# Allegro board 1155000-zp-dic_pda_8ch_board_v002.brd (continued)
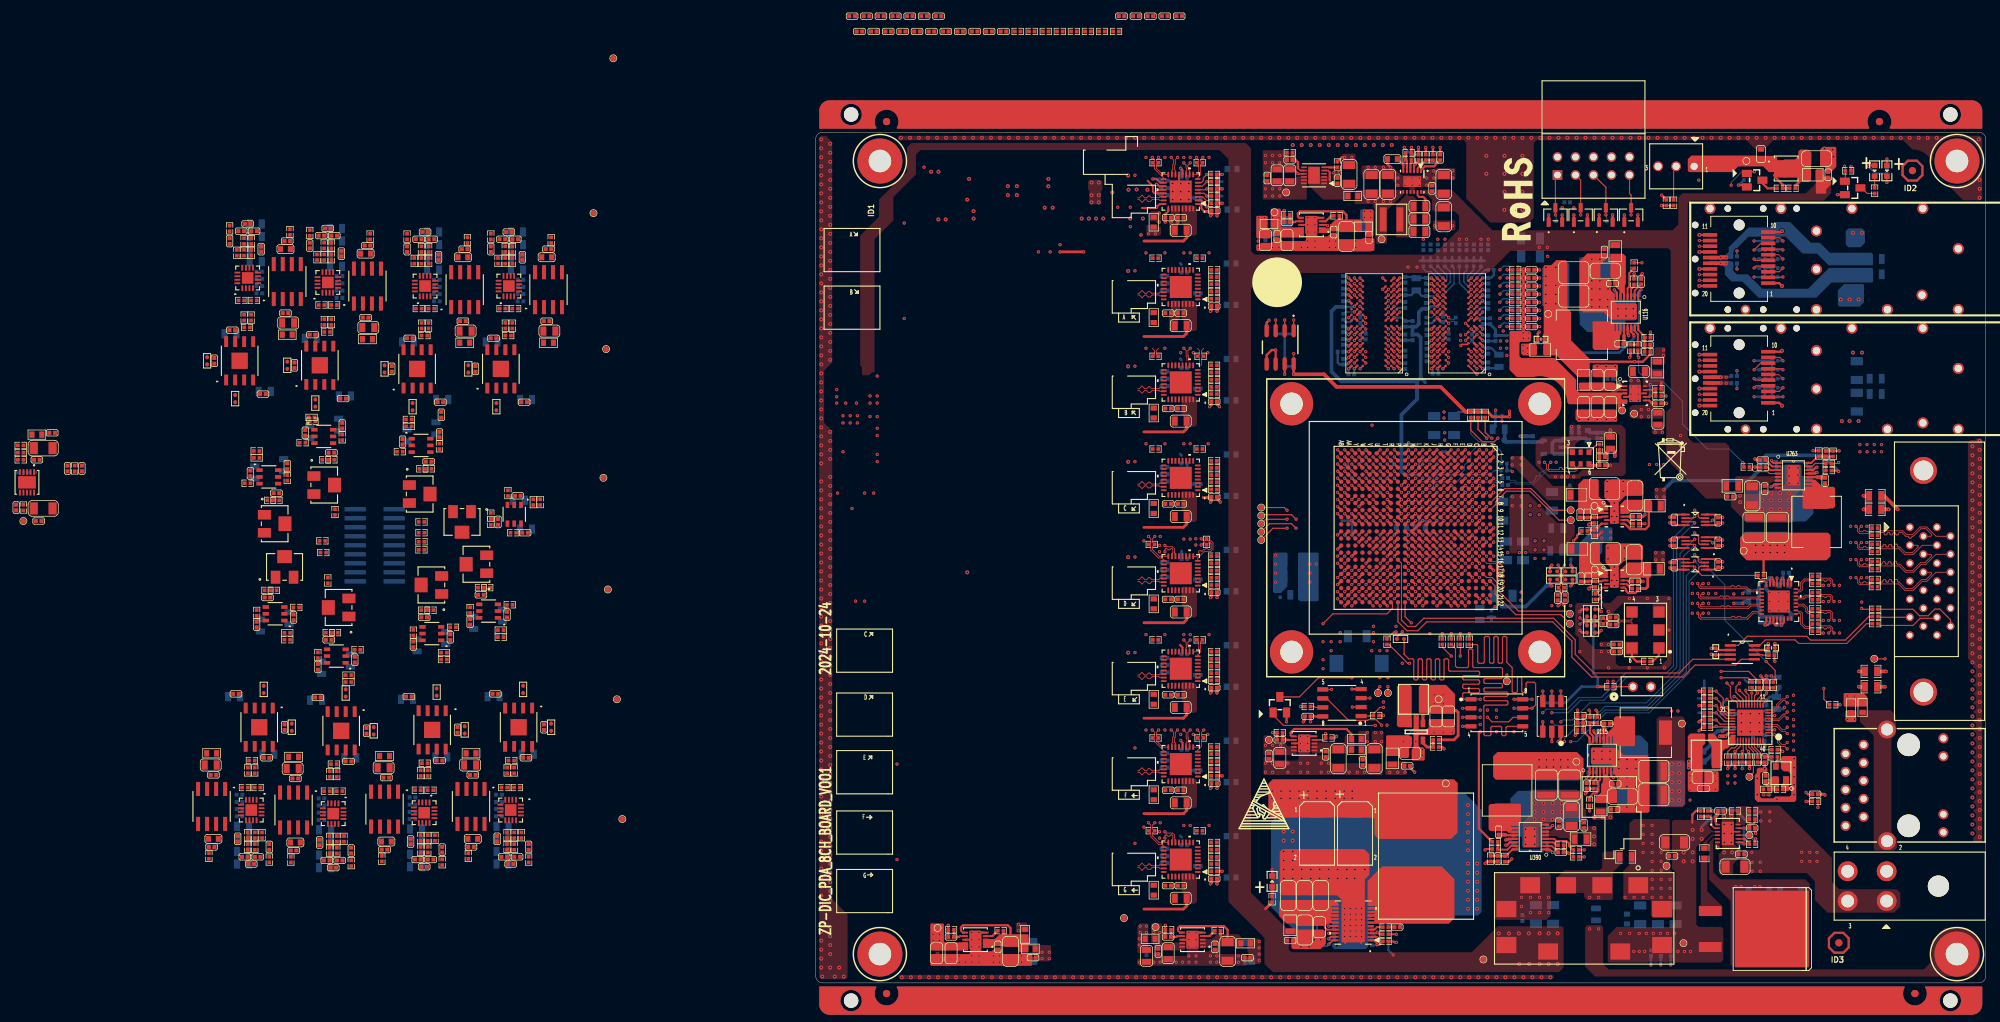
[diagram p0: board, top side]
## Copper pours and planes (outline as drawn; the poured copper is in the pictures) (continued)
(no net) on TOP: 127.32,29.69 127.17,29.85 125.4,29.85 125.27,29.72 125.27,27.05 125.4,26.92 127.17,26.92 127.32,27.07
(no net) on TOP: 78.83,20.83 79.34,20.32 89.63,20.32 90.52,21.21 90.52,28.19 90.01,28.7 64.44,28.7 63.85,28.11 63.85,23.75 64.23,23.37 78.53,23.37 78.83,23.07
(no net) on TOP: 70.91,106.93 70.91,105.92 71.04,105.79 72.31,105.79 72.56,106.05 73.83,106.05 73.96,105.92 76.88,105.92 77.01,106.05 77.01,107.57 76.88,107.7 73.33,107.7 72.69,107.06 71.04,107.06
(no net) on BOTTOM: 148.96,98.81 143.25,98.81 141.09,96.65 132.96,96.65 130.66,98.95 129.14,98.95 128.21,99.87 128.21,100.89 127.88,101.22 127.5,101.22 127.39,101.33 127.39,101.76 127.5,101.86 128.9,101.86 129.39,101.36 129.39,100.44 129.89,99.95 131.44,99.95 133.47,97.92 139.94,97.92 142.87,100.84 148.96,100.84 149.09,100.72 149.09,98.94
(no net) on BOTTOM: 78.28,103.12 75.87,103.12 75.74,103.25 75.74,104.78 75.87,104.9 78.28,104.9 78.41,104.78 78.41,103.25
(no net) on BOTTOM: 78.53,106.05 76.88,106.05 76.75,106.17 76.75,108.97 76.88,109.09 78.53,109.09 78.66,108.97 78.66,106.17
(no net) on BOTTOM: 62.28,105.28 62.15,105.41 62.15,108.08 62.28,108.2 63.67,108.2 63.8,108.08 63.8,105.41 63.67,105.28
(no net) on BOTTOM: 145.64,106.43 147.56,106.43 147.95,106.05 147.95,104.42 147.29,103.76 145.64,103.76 145.25,104.14 145.25,106.05
(no net) on BOTTOM: 147.69,98.56 145.02,98.56 144.14,97.67 144.14,95.64 144.39,95.38 147.18,95.38 147.82,96.02 147.82,98.43
(no net) on BOTTOM: 67.1,105.28 64.31,105.28 64.18,105.41 64.18,108.08 64.31,108.2 67.1,108.2 67.23,108.08 67.23,105.41
(no net) on BOTTOM: 148.96,101.22 142.87,101.22 141.21,102.88 139.18,102.88 136.77,105.29 131.54,105.29 129.39,103.13 129.39,102.23 129.26,102.09 127.47,102.09 127.37,102.19 127.37,102.49 127.5,102.62 128.26,102.62 128.74,103.11 128.74,103.76 131.54,106.56 134.48,106.56 135.25,107.32 137.4,107.32 140.33,104.4 141.6,104.4 142.99,103 148.83,103 149.09,102.75 149.09,101.35
(no net) on BOTTOM: 64.23,10.69 67.53,7.39 67.53,5.21 67.96,4.78 69.76,4.78 70.05,5.07 70.05,5.63 70.23,5.82 71.38,5.82 71.5,5.94 71.5,6.25 71.39,6.37 70.31,6.37 70.06,6.62 70.06,9.01 70.67,9.62 72.71,9.62 72.84,9.49 72.84,7.54 72.92,7.46 73.52,7.46 73.77,7.21 73.77,5.77 73.59,5.58 72.85,5.58 72.85,5.09 73.17,4.77 77.53,4.77 77.91,5.15 77.91,8.78 78.66,9.53 93.39,9.53 93.9,10.03 93.9,24.38 91.61,26.67 87.55,26.67 85.26,24.38 65.96,24.38 64.23,22.65 ; 2 cut-outs
ADC1_VIO on BOTTOM: 51.1,74.8 51.35,75.06 58.21,75.06 58.34,74.93 58.34,70.23 58.21,70.1 57.2,70.1 57.07,70.23 57.07,74.04 56.94,74.17 52.75,74.17 52.62,74.04 51.35,74.04 51.1,74.3
ADC1_VREF on TOP: 51.61,69.22 51.61,66.8 51.86,66.55 51.86,65.15 51.99,65.02 53.51,65.02 53.77,65.28 53.77,68.96 53.56,69.17 53.27,69.17 53.1,69.34 51.74,69.34
ADC2_VIO on BOTTOM: 51.1,61.34 51.35,61.6 58.21,61.6 58.34,61.47 58.34,56.77 58.21,56.64 57.2,56.64 57.07,56.77 57.07,60.58 56.94,60.71 52.75,60.71 52.62,60.58 51.35,60.58 51.1,60.83
ADC2_VREF on TOP: 51.99,51.56 51.86,51.69 51.86,53.09 51.61,53.34 51.61,55.75 51.74,55.88 53.1,55.88 53.27,55.7 53.56,55.7 53.77,55.5 53.77,51.82 53.51,51.56
ADC3_VIO on BOTTOM: 51.1,88.27 51.35,88.52 58.21,88.52 58.34,88.39 58.34,83.69 58.21,83.57 57.2,83.57 57.07,83.69 57.07,87.5 56.94,87.63 52.75,87.63 52.62,87.5 51.35,87.5 51.1,87.76
ADC3_VREF on TOP: 51.61,82.68 51.61,80.26 51.86,80.01 51.86,78.61 51.99,78.49 53.51,78.49 53.77,78.74 53.77,82.42 53.56,82.63 53.27,82.63 53.1,82.8 51.74,82.8
ADC4_VIO on BOTTOM: 51.1,47.88 51.35,48.13 58.21,48.13 58.34,48.01 58.34,43.31 58.21,43.18 57.2,43.18 57.07,43.31 57.07,47.12 56.94,47.24 52.75,47.24 52.62,47.12 51.35,47.12 51.1,47.37
ADC4_VREF on TOP: 51.99,38.1 51.86,38.23 51.86,39.62 51.61,39.88 51.61,42.29 51.74,42.42 53.1,42.42 53.27,42.24 53.56,42.24 53.77,42.04 53.77,38.35 53.51,38.1
ADC5_VIO on BOTTOM: 51.1,101.73 51.35,101.98 58.21,101.98 58.34,101.85 58.34,97.16 58.21,97.03 57.2,97.03 57.07,97.16 57.07,100.97 56.94,101.09 52.75,101.09 52.62,100.97 51.35,100.97 51.1,101.22
ADC5_VREF on TOP: 51.61,96.14 51.61,93.73 51.86,93.47 51.86,92.08 51.99,91.95 53.51,91.95 53.77,92.2 53.77,95.89 53.56,96.09 53.27,96.09 53.1,96.27 51.74,96.27
ADC6_VIO on BOTTOM: 51.1,34.42 51.35,34.67 58.21,34.67 58.34,34.54 58.34,29.85 58.21,29.72 57.2,29.72 57.07,29.85 57.07,33.66 56.94,33.78 52.75,33.78 52.62,33.66 51.35,33.66 51.1,33.91
ADC6_VREF on TOP: 51.99,24.64 51.86,24.77 51.86,26.16 51.61,26.42 51.61,28.83 51.74,28.96 53.1,28.96 53.27,28.78 53.56,28.78 53.77,28.58 53.77,24.89 53.51,24.64
ADC7_VIO on BOTTOM: 51.16,115.13 51.42,115.38 58.28,115.38 58.4,115.25 58.4,110.55 58.28,110.43 57.26,110.43 57.13,110.55 57.13,114.36 56.94,114.55 52.88,114.55 52.69,114.36 51.42,114.36 51.16,114.62
ADC7_VREF on TOP: 51.61,109.6 51.61,107.19 51.86,106.93 51.86,105.54 51.99,105.41 53.51,105.41 53.77,105.66 53.77,109.35 53.56,109.55 53.27,109.55 53.1,109.73 51.74,109.73
ADC8_VIO on BOTTOM: 51.1,20.96 51.35,21.21 58.21,21.21 58.34,21.08 58.34,16.38 58.21,16.26 57.2,16.26 57.07,16.38 57.07,20.19 56.94,20.32 52.75,20.32 52.62,20.19 51.35,20.19 51.1,20.45
ADC8_VREF on TOP: 51.99,11.18 51.86,11.3 51.86,12.7 51.61,12.95 51.61,15.37 51.74,15.49 53.1,15.49 53.27,15.32 53.56,15.32 53.77,15.11 53.77,11.43 53.51,11.18
FPGA_SFP1_VCCR on BOTTOM (solid shape): outline of 105 points within 127.37,101.22 149.09,107.32
FPGA_SFP1_VCCT on BOTTOM (solid shape): outline of 82 points within 127.39,96.65 149.09,101.86
FPGA_SFP2_VCCR on TOP: 125.14,85.73 128.7,85.73 128.82,85.6 128.82,85.34 128.7,85.22 125.14,85.22
FPGA_SFP2_VCCR on BOTTOM: 148.96,84.34 142.87,84.34 141.21,85.99 139.18,85.99 136.77,88.41 131.54,88.41 129.39,86.25 129.39,85.34 129.26,85.21 127.47,85.21 127.37,85.31 127.37,85.61 127.5,85.74 128.26,85.74 128.74,86.22 128.74,86.88 131.54,89.68 134.48,89.68 135.25,90.44 137.4,90.44 140.33,87.52 141.6,87.52 142.99,86.12 148.83,86.12 149.09,85.87 149.09,84.47
FPGA_SFP2_VCCT on TOP: 125.14,84.96 128.7,84.96 128.82,84.84 128.82,84.46 128.7,84.33 125.14,84.33
FPGA_SFP2_VCCT on BOTTOM: 148.96,81.93 143.25,81.93 141.09,79.77 132.96,79.77 130.66,82.06 129.14,82.06 128.21,82.99 128.21,84.01 127.88,84.34 127.5,84.34 127.39,84.45 127.39,84.87 127.5,84.98 128.9,84.98 129.39,84.48 129.39,83.56 129.89,83.07 131.44,83.07 133.47,81.04 139.94,81.04 142.87,83.96 148.96,83.96 149.09,83.83 149.09,82.06
INPUT_GND on TOP: 121,9.44 120.7,9.14 118.16,9.14 117.78,9.53 117.78,11.56 117.65,11.68 114.01,11.68 113.89,11.81 113.89,15.79 114.73,16.64 114.73,22.48 115.36,23.11 120.24,23.11 120.49,22.86 120.49,16 121,15.49
INPUT_GND on TOP: 129.46,19.69 130.27,18.87 130.27,17.65 129.38,16.76 129.38,15.49 129.13,15.24 127.6,15.24 127.35,15.49 127.35,18.16 127.75,18.57 127.75,22.5 127.78,22.53 127.78,24.51 127.88,24.61 129.3,24.61 129.46,24.46
INPUT_GND on BOTTOM: 113,9.4 114.9,9.4 115.54,10.03 122.01,10.03 122.27,10.29 122.27,14.56 120.44,16.38 120.44,22.23 120.19,22.48 115.11,22.48 114.9,22.27 114.9,14.99 112.87,12.95 112.87,9.53
INPUT_GND on GND02: 135.94,25.02 143.3,17.65 154.27,17.65 155.16,16.76 155.16,14.2 153.31,12.35 153.31,10.39 145.21,2.29 117.52,2.29 117.39,2.41 117.39,3.81 117.65,4.06 121.2,4.06 121.46,3.81 124.13,3.81 124.25,3.94 124.25,9.91 122.73,11.43 118.03,11.43 117.78,11.68 114.09,11.68 113.97,11.81 113.97,15.88 114.73,16.64 114.73,22.48 115.36,23.11 122.6,23.11 124.51,25.02 ; 4 cut-outs
INPUT_GND on ART03: 135.94,25.02 143.3,17.65 154.48,17.65 155.16,16.97 155.16,14.2 153.31,12.35 153.31,10.39 145.21,2.29 117.52,2.29 117.39,2.41 117.39,3.81 117.65,4.06 121.2,4.06 121.46,3.81 124.13,3.81 124.25,3.94 124.25,9.91 122.73,11.43 118.03,11.43 117.78,11.68 114.09,11.68 113.97,11.81 113.97,15.88 114.73,16.64 114.73,22.48 115.36,23.11 122.6,23.11 124.51,25.02 ; 3 cut-outs
INPUT_GND on GND04: 135.94,25.02 143.3,17.65 154.35,17.65 155.16,16.84 155.16,14.2 153.31,12.35 153.31,10.39 145.21,2.29 117.52,2.29 117.39,2.41 117.39,3.81 117.65,4.06 121.2,4.06 121.46,3.81 124.13,3.81 124.25,3.94 124.25,9.91 122.73,11.43 118.03,11.43 117.78,11.68 114.09,11.68 113.97,11.81 113.97,15.88 114.73,16.64 114.73,22.48 115.36,23.11 122.6,23.11 124.51,25.02 ; 4 cut-outs
INPUT_GND on POWR05: 117.52,2.29 117.39,2.41 117.39,3.81 117.65,4.06 121.2,4.06 121.46,3.81 124.13,3.81 124.25,3.94 124.25,9.91 122.73,11.43 118.03,11.43 117.78,11.68 114.09,11.68 113.97,11.81 113.97,15.88 114.73,16.64 114.73,22.48 115.36,23.11 122.6,23.11 124.51,25.02 135.94,25.02 143.3,17.65 154.4,17.65 155.16,16.89 155.16,14.2 153.34,12.38 153.34,10.41 145.21,2.29 ; 4 cut-outs
INPUT_GND on ART06: 117.52,2.29 117.39,2.41 117.39,3.81 117.65,4.06 121.2,4.06 121.46,3.81 124.13,3.81 124.25,3.94 124.25,9.91 122.73,11.43 118.03,11.43 117.78,11.68 114.09,11.68 113.97,11.81 113.97,15.88 114.73,16.64 114.73,22.48 115.36,23.11 122.6,23.11 124.51,25.02 135.94,25.02 143.3,17.65 154.4,17.65 155.16,16.89 155.16,14.2 153.34,12.38 153.34,10.41 145.21,2.29 ; 4 cut-outs
INPUT_GND on GND07: 135.94,25.02 143.3,17.65 154.48,17.65 155.16,16.97 155.16,14.2 153.34,12.38 153.34,10.41 145.21,2.29 117.52,2.29 117.39,2.41 117.39,3.81 117.65,4.06 121.2,4.06 121.46,3.81 124.13,3.81 124.25,3.94 124.25,9.91 122.73,11.43 118.03,11.43 117.78,11.68 114.09,11.68 113.97,11.81 113.97,15.88 114.73,16.64 114.73,22.48 115.36,23.11 122.6,23.11 124.51,25.02 ; 4 cut-outs
INPUT_GND on ART08: 135.94,25.02 143.3,17.65 154.48,17.65 155.16,16.97 155.16,14.2 153.31,12.35 153.31,10.38 145.21,2.29 117.39,2.29 117.27,2.41 117.27,11.43 117.01,11.68 114.09,11.68 113.97,11.81 113.97,15.88 114.73,16.64 114.73,22.48 115.36,23.11 122.6,23.11 124.51,25.02 ; 4 cut-outs
INPUT_GND on GND09: 135.94,25.02 143.3,17.65 154.48,17.65 155.16,16.97 155.16,14.2 153.34,12.38 153.34,10.41 145.21,2.29 117.52,2.29 117.39,2.41 117.39,3.81 117.65,4.06 121.2,4.06 121.46,3.81 124.13,3.81 124.25,3.94 124.25,9.91 122.73,11.43 118.03,11.43 117.78,11.68 114.09,11.68 113.97,11.81 113.97,15.88 114.73,16.64 114.73,22.48 115.36,23.11 122.6,23.11 124.51,25.02 ; 4 cut-outs
MGTAVCC on TOP: 98.09,68.96 100.5,68.96 104.57,64.9 106.73,64.9 107.04,64.58 107.04,60.58 98.09,60.58 97.84,60.83 97.84,68.71
MGTAVCC on ART06: 96.82,66.93 96.57,67.18 96.57,68.07 96.06,68.58 89.07,68.58 88.82,68.83 88.82,72.9 89.07,73.15 96.57,73.15 99.87,69.85 99.87,67.31 99.49,66.93
MGTAVTT on TOP: 106.9,68.07 106.9,69.72 106.52,70.1 104,70.1 99.77,74.33 98.12,74.33 97.96,74.17 97.96,72.77 98.09,72.64 98.6,72.64 103.17,68.07
MGTAVTT on ART06: 88.31,73.66 88.06,73.91 88.06,77.22 88.95,78.11 99.61,78.11 99.74,77.98 99.74,72.9 99.61,72.77 97.96,72.77 97.07,73.66
Net_15 on GND09 (solid shape): outline of 233 points within 0.5,120.5 164.5,124.5
Net_16 on ART08 (solid shape): outline of 233 points within 0.5,120.5 164.5,124.5
Net_17 on GND07 (solid shape): outline of 233 points within 0.5,120.5 164.5,124.5
Net_18 on ART06 (solid shape): outline of 233 points within 0.5,120.5 164.5,124.5
Net_19 on POWR05 (solid shape): outline of 233 points within 0.5,120.5 164.5,124.5
Net_20 on GND04 (solid shape): outline of 233 points within 0.5,120.5 164.5,124.5
Net_21 on ART03 (solid shape): outline of 233 points within 0.5,120.5 164.5,124.5
Net_22 on GND09 (solid shape): outline of 233 points within 0.5,-4.5 164.5,-0.5
Net_23 on ART08 (solid shape): outline of 233 points within 0.5,-4.5 164.5,-0.5
Net_24 on GND07 (solid shape): outline of 233 points within 0.5,-4.5 164.5,-0.5
Net_25 on ART06 (solid shape): outline of 233 points within 0.5,-4.5 164.5,-0.5
Net_26 on POWR05 (solid shape): outline of 233 points within 0.5,-4.5 164.5,-0.5
Net_27 on GND04 (solid shape): outline of 233 points within 0.5,-4.5 164.5,-0.5
Net_28 on ART03 (solid shape): outline of 233 points within 0.5,-4.5 164.5,-0.5
Net_29 on GND02 (solid shape): outline of 233 points within 0.5,-4.5 164.5,-0.5
Net_30 on GND02 (solid shape): outline of 233 points within 0.5,120.5 164.5,124.5
Net_31 on TOP (solid shape): outline of 387 points within 0.5,-4.5 164.5,-0.5
Net_32 on BOTTOM (solid shape): outline of 387 points within 0.5,-4.5 164.5,-0.5
Net_33 on TOP (solid shape): outline of 387 points within 0.5,120.5 164.5,124.5
Net_34 on BOTTOM (solid shape): outline of 387 points within 0.5,120.5 164.5,124.5
VTTDDR on TOP (solid shape): 100,100.84 100,92.08 100.12,91.95 100.63,91.95 100.88,91.69 100.88,90.68 100.63,90.42 99.36,90.42 99.23,90.3 99.23,88.39 99.49,88.14 104.19,88.14 107.23,85.09 107.23,83.69 107.64,83.29 114.37,83.29 114.45,83.21 114.45,83.06 114.42,83.03 113.79,83.03 113.61,82.85 113.61,82.42 113.75,82.28 114.36,82.28 114.47,82.17 114.47,82.07 114.46,82.06 114.46,81.77 114.35,81.66 114.06,81.66 114.04,81.64 106.22,81.64 106,81.86 104.44,84.81 101.16,85.47 98.85,85.47 97.84,86.49 97.84,91.82 97.96,91.95 99.49,91.95 99.61,92.08 99.61,100.84 99.74,100.97 99.87,100.97
VTTDDR on BOTTOM: 100.04,101.7 100.63,101.12 100.64,101.1 101.51,101.1 101.65,100.97 101.65,90.68 101.52,90.55 99.61,90.55 99.49,90.68 99.49,92.2 99.37,92.32 98.86,92.32 98.8,92.38 98.8,101.02 98.19,101.63 84.98,101.63 84.88,101.73 84.88,103.51 85.01,103.63 95.85,103.63 96.11,103.89 96.11,105.71 96.44,106.05 99.87,106.05 100.04,105.87
VTTVREF on TOP: 115.03,79.6 114.77,79.86 114.77,81.13 115.16,81.51 117.16,81.51 117.7,82.04 118.58,82.04 118.71,81.92 118.71,81.2 118.89,81.03 119.3,81.03 119.43,80.9 119.43,79.76 119.27,79.6
VTTVREF on BOTTOM: 76.25,83.57 75.48,82.8 75.48,73.66 75.36,73.53 74.72,73.53 74.6,73.41 74.6,72.01 74.47,71.88 72.56,71.88 72.31,71.63 72.31,65.91 72.56,65.66 74.72,65.66 74.85,65.53 74.85,63.88 74.72,63.75 70.53,63.75 70.02,64.26 70.02,75.82 72.36,78.15 72.36,84.84 72.74,85.22 96.31,85.22 97.33,86.23 97.33,91.82 97.58,92.08 99.11,92.08 99.36,91.82 99.36,88.9 100,88.27 106.6,88.27 113.33,81.53 117.52,81.53 117.9,81.15 117.9,79.76 117.65,79.5 108.25,79.5 108.12,79.63 108.12,80.39 103.42,85.09 99.41,85.09 97.88,83.57
N1143734 on TOP (solid shape): 135.63,29.11 135.81,28.93 135.81,27.2 135.63,27.03 134.35,27.03 134.21,27.17 134.21,27.51 134.08,27.74 134.07,27.75 134.05,27.76 134.33,27.76 134.33,27.36 134.34,27.33 134.36,27.31 134.62,27.31 134.63,27.33 134.64,27.36 134.64,27.76 135.4,27.76 135.4,27.36 135.41,27.33 135.42,27.31 135.68,27.31 135.7,27.33 135.7,27.36 135.7,27.76 135.7,27.79 135.68,27.8 135.42,27.8 135.41,27.79 135.4,27.76 134.64,27.76 134.63,27.79 134.62,27.8 134.36,27.8 134.34,27.79 134.33,27.76 134.05,27.76 133.96,27.78 133.69,28.05 133.67,28.09 133.67,28.52 133.98,28.52 133.98,28.32 133.99,28.29 134,28.28 134.03,28.27 134.43,28.27 134.46,28.28 134.48,28.29 134.48,28.55 134.46,28.57 134.43,28.58 134.03,28.58 134,28.57 133.99,28.55 133.98,28.52 133.67,28.52 133.74,28.73 134.54,28.73 134.58,28.74 134.93,29.09 134.96,29.11
N16645850 on TOP: 104.57,14.86 104.57,12.95 104.82,12.7 108.25,12.7 108.38,12.57 108.38,12.07 108.76,11.68 112.19,11.68 112.44,11.94 112.44,15.62 113.71,16.89 113.71,18.29 113.46,18.54 111.17,18.54 110.92,18.29 110.92,16.26 110.54,15.88 105.58,15.88
N16645850 on BOTTOM: 108.89,12.45 111.04,12.45 111.17,12.32 111.17,10.16 111.04,10.03 108.89,10.03 108.76,10.16 108.76,12.32
N16650422 on TOP: 127.5,20.45 126.59,20.45 125.99,19.85 125.99,14.57 129,11.56 129,2.54 129.25,2.29 140,2.29 140.17,2.46 140.17,13.97 139.54,14.61 127.6,14.61 126.57,15.63 126.57,19.95 126.87,20.24 127.5,20.24 127.53,20.27 127.53,20.42
N16650422 on BOTTOM: 129.46,14.1 133.14,14.1 133.4,13.84 133.4,11.56 133.27,11.43 129.59,11.43 129.21,11.81 129.21,13.84
N16650476 on TOP: 129.79,24.82 129.79,22.56 129.71,22.48 129.71,22.28 129.76,22.23 130.93,22.23 131.54,22.83 131.84,22.83 131.89,22.89 131.89,24.71 131.67,24.94 129.91,24.94
N16650604 on TOP: 124.88,18.64 125.7,18.64 125.77,18.72 125.77,19.94 126.56,20.73 127.53,20.73 127.55,20.75 127.55,20.96 127.53,20.98 126.33,20.98 124.83,19.48 124.83,18.69
N16650648 on TOP: 125.72,17.91 125.72,12.93 127.86,10.8 127.86,9.53 127.73,9.4 124.81,9.4 124.55,9.65 124.55,10.8 124.81,11.05 124.81,17.86 124.93,17.98 125.65,17.98
N16651124 on BOTTOM: 134.16,14.1 136.32,14.1 136.44,13.97 136.44,11.68 136.19,11.43 134.16,11.43 134.03,11.56 134.03,13.97
N16716267 on TOP (solid shape): 114.23,102.5 114.23,98.57 114.13,98.47 114.13,98.43 114.11,98.35 114.1,98.28 114.1,96.78 114.11,96.71 114.13,96.64 114.13,96.43 114.13,96.38 114.03,96.28 113.9,96.28 113.84,96.34 113.84,97.28 113.63,97.28 113.63,96.37 113.55,96.28 113.42,96.28 113.35,96.36 113.35,97.64 112.49,98.5 112.49,99.16 112.11,99.54 112.11,102.84 113.89,102.84
N16716703 on TOP (solid shape): 112.61,92.93 112.61,91.96 112.86,91.96 112.86,92.93 113.12,92.93 113.12,91.99 113.37,91.99 113.37,92.93 113.55,92.93 113.63,92.85 113.63,91.54 113.4,91.31 113.4,89.54 113.14,89.28 109.82,89.28 109.57,89.54 109.57,93.19 109.69,93.32 112.22,93.32
N16720636 on TOP (solid shape): 113.15,84.02 113.35,84.02 113.61,83.77 114.42,83.77 114.44,83.74 114.44,83.57 114.42,83.54 107.87,83.54 107.62,83.79 107.62,84.56 107.74,84.68 112.49,84.68
N16720676 on TOP: 116.76,84.05 117.75,84.05 118.03,84.33 119.55,84.33 119.68,84.46 119.68,86.49 119.55,86.61 117.9,86.61 117.52,87 116.63,87 116.51,86.87 116.51,85.6 116.63,85.47 116.63,84.18
N21090058 on TOP: 116,46.36 116,48.01 115.87,48.13 113.2,48.13 113.08,48.01 113.08,46.36 113.2,46.23 115.87,46.23
N21624044 on POWR05: 48.56,72.52 47.42,72.52 47.29,72.39 47.29,64.64 47.42,64.52 55.67,64.52 55.8,64.64 55.8,68.2 55.55,68.45 54.53,68.45 54.4,68.33 54.4,66.29 54.28,66.17 48.81,66.17 48.69,66.29 48.69,72.39
N21624153 on BOTTOM: 55.04,69.47 58.09,69.47 58.34,69.22 58.34,68.2 58.21,68.07 55.04,68.07 54.91,68.2 54.91,69.34
N21624153 on POWR05: 49.07,66.68 53.89,66.68 54.02,66.8 54.02,68.58 54.15,68.71 55.42,68.71 55.55,68.83 55.55,69.47 55.42,69.6 49.96,69.6 49.83,69.72 49.83,74.3 49.7,74.42 47.42,74.42 47.29,74.3 47.29,72.9 47.42,72.77 48.69,72.77 48.94,72.52 48.94,66.8
N21859607 on TOP (solid shape): 146.73,38.31 146.73,36.91 146.6,36.78 145.46,36.78 145.21,37.04 145.21,38.31 145.33,38.43 146.6,38.43
N21859607 on BOTTOM: 148.51,38.99 148.86,38.64 148.86,33.15 148.48,32.77 146.98,32.77 146.52,33.22 146.52,34.52 146.49,34.55 146.49,34.91 144.83,36.58 144.83,38.74 145.08,38.99
N21907487 on TOP (solid shape): 124.42,35.18 124.55,35.15 124.69,35.18 124.7,35.18 125.29,35.18 125.31,35.18 125.33,35.16 125.43,35.07 125.44,35.05 125.44,35.03 125.44,33.8 125.44,33.78 125.43,33.77 125.08,33.42 125.07,33.4 125.06,33.38 125.06,27.07 125.06,27.05 125.05,27.04 124.95,26.94 124.93,26.93 124.91,26.92 123.26,26.92 123.24,26.93 123.22,26.94 123,27.16 122.99,27.18 122.98,27.2 122.98,29.74 122.99,29.76 123,29.78 123.06,29.84 123.09,29.85 123.46,29.99 123.62,30.35 123.62,31.24 123.46,31.61 123.09,31.75 123.06,31.76 123,31.81 122.99,31.83 122.98,31.85 122.98,34.78 122.99,34.8 123,34.81 123.35,35.16 123.37,35.18 123.39,35.18 124.41,35.18
N21907487 on BOTTOM: 132.55,31.24 132.55,30.73 129.76,27.94 126.46,27.94 124.93,29.46 123.28,29.46 123.03,29.21 123.03,26.92 123.79,26.16 129.63,26.16 133.82,30.35 133.82,31.24 133.7,31.37 132.68,31.37
N21907530 on BOTTOM: 132.3,31.62 134.84,31.62 135.48,32.26 135.48,37.85 135.35,37.97 134.71,37.97 134.33,37.59 134.33,33.15 134.08,32.89 133.32,32.89 133.19,33.02 133.19,33.91 133.06,34.04 132.05,34.04 131.92,33.91 131.92,33.15 132.17,32.89 132.17,31.75
N21907745 on TOP (solid shape): 126.56,35.18 126.58,35.18 126.6,35.16 127.09,34.68 127.09,34.67 127.19,34.51 127.34,34.41 127.36,34.41 127.46,34.3 127.48,34.29 127.5,34.29 128.47,34.29 128.49,34.29 128.51,34.3 129.19,34.98 129.2,35 129.22,35 129.61,35 129.63,35 129.65,34.98 129.7,34.94 129.71,34.92 129.71,34.9 129.71,34.83 129.69,34.8 129.69,34.79 129.69,34.38 129.67,34.32 129.66,34.25 129.66,33.69 129.66,33.67 129.65,33.65 129.49,33.49 129.47,33.48 129.45,33.48 129.01,33.48 128.99,33.47 128.97,33.46 128.6,33.09 128.58,33.07 128.56,33.07 128.31,33.07 128.29,33.07 128.27,33.06 127.87,32.65 127.86,32.64 127.86,32.62 127.86,30.73 127.85,30.71 127.84,30.69 127.54,30.39 127.52,30.38 127.5,30.38 126.58,30.38 126.56,30.38 126.55,30.39 126.35,30.59 126.34,30.61 126.33,30.63 126.33,33.51 126.33,33.53 126.32,33.54 125.84,34.02 125.83,34.04 125.82,34.06 125.82,35.03 125.83,35.05 125.84,35.07 125.94,35.16 125.95,35.18 125.97,35.18
N21908106 on BOTTOM: 128.85,35.05 127.35,35.05 127.2,34.9 127.2,33.73 126.59,33.12 126.59,32.33 126.74,32.18 127.88,32.18 128.01,32.31 128.01,32.79 129,33.78 129,34.9
N22238566 on TOP: 69.9,33.78 69.9,32.51 70.02,32.39 75.87,32.39 75.99,32.51 75.99,34.8 75.87,34.93 74.72,34.93 74.6,34.8 74.6,34.04 74.47,33.91 70.02,33.91
N22251628 on TOP (solid shape): 111.24,30.35 111.24,29.44 111.5,29.44 111.5,30.38 111.52,30.4 111.72,30.4 111.76,30.36 111.76,29.08 111.88,28.95 111.88,28.96 112.62,28.22 112.62,27.56 113,27.18 113,25.4 110.03,25.4 109.9,25.53 109.9,26.16 110.11,26.37 110.26,26.37 110.77,26.87 110.77,28.04 110.89,28.17 110.97,28.26 110.97,28.29 110.99,28.37 111,28.44 111,29.95 110.99,30.01 110.97,30.08 110.97,30.29 110.97,30.34 111.06,30.43 111.17,30.43
N22251845 on TOP (solid shape): 115.54,37.47 115.54,33.53 115.41,33.4 112.89,33.4 112.49,33.79 112.49,34.76 112.24,34.76 112.24,33.79 111.99,33.79 111.99,34.73 111.73,34.73 111.73,33.79 111.55,33.79 111.48,33.87 111.48,35.1 112.57,36.2 112.57,37.34 112.82,37.59 115.41,37.59
N22256821 on TOP: 129.64,71.25 129.86,71.47 135.71,71.47 135.77,71.48 135.84,71.49 136.05,71.49 136.1,71.5 136.2,71.4 136.2,71.33 136.07,71.2 135.15,71.2 135.15,71 136.09,71 136.14,70.95 136.14,70.72 136.13,70.71 135.16,70.71 135.03,70.59 134.72,70.59 133.99,69.85 133.32,69.85 132.94,69.47 129.71,69.47 129.64,69.55
N22257033 on TOP (solid shape): 141.96,69.98 143.56,69.98 143.73,69.8 143.73,67.19 143.48,66.93 139.29,66.93 139.16,67.06 139.16,69.58 139.55,69.98 140.52,69.98 140.52,70.23 139.55,70.23 139.55,70.48 140.49,70.48 140.49,70.74 139.55,70.74 139.55,70.92 139.63,70.99 140.94,70.99
N22390089 on TOP (solid shape): 117.82,59.18 117.82,57.4 117.57,57.15 114.41,57.15 114.39,57.15 113.77,57.15 113.56,57.15 113.48,57.23 113.48,58.27 114.52,59.31 117.7,59.31
N22391841 on TOP (solid shape): 110.58,61.98 110.58,59.44 111.7,58.32 111.7,57.2 111.65,57.15 107.79,57.15 107.66,57.28 107.66,61.85 107.92,62.1 110.46,62.1
N22401669 on TOP (solid shape): 110.41,70.87 110.41,68.63 111.73,67.31 111.73,66.68 111.12,66.68 111.12,66.4 111.73,66.4 111.73,66.27 111.63,66.17 107.66,66.17 107.54,66.29 107.54,70.31 108.29,71.07 110.21,71.07
N22401706 on TOP (solid shape): 117.95,67.89 117.95,66.55 117.82,66.42 117.08,66.42 117.01,66.44 116.93,66.45 116.86,66.44 116.79,66.42 114.9,66.42 114.65,66.17 114.41,66.17 114.39,66.17 113.77,66.17 113.56,66.17 113.48,66.24 113.48,67.49 114.14,68.15 117.7,68.15
N23503581 on POWR05: 48.56,59.06 47.42,59.06 47.29,58.93 47.29,51.18 47.42,51.05 55.8,51.05 55.93,51.18 55.93,54.86 55.8,54.99 54.53,54.99 54.4,54.86 54.4,52.83 54.28,52.71 48.81,52.71 48.69,52.83 48.69,58.93
N23503589 on BOTTOM: 55.04,56.01 58.09,56.01 58.34,55.75 58.34,54.74 58.21,54.61 55.04,54.61 54.91,54.74 54.91,55.88
N23503589 on POWR05: 49.07,53.21 53.89,53.21 54.02,53.34 54.02,55.12 54.15,55.25 55.42,55.25 55.55,55.37 55.55,56.01 55.42,56.13 49.96,56.13 49.83,56.26 49.83,60.83 49.7,60.96 47.42,60.96 47.29,60.83 47.29,59.44 47.42,59.31 48.69,59.31 48.94,59.06 48.94,53.34
N23504848 on POWR05: 48.56,85.98 47.42,85.98 47.29,85.85 47.29,78.11 47.42,77.98 55.67,77.98 55.8,78.11 55.8,81.66 55.55,81.92 54.53,81.92 54.4,81.79 54.4,79.76 54.28,79.63 48.81,79.63 48.69,79.76 48.69,85.85
N23504856 on BOTTOM: 55.04,82.93 58.09,82.93 58.34,82.68 58.34,81.66 58.21,81.53 55.04,81.53 54.91,81.66 54.91,82.8
N23504856 on POWR05: 49.07,80.14 53.89,80.14 54.02,80.26 54.02,82.04 54.15,82.17 55.42,82.17 55.55,82.3 55.55,82.93 55.42,83.06 49.96,83.06 49.83,83.19 49.83,87.76 49.7,87.88 47.42,87.88 47.29,87.76 47.29,86.36 47.42,86.23 48.69,86.23 48.94,85.98 48.94,80.26
N23506117 on TOP: 47.16,108.71 47.29,108.84 48.56,108.84 48.69,108.71 48.69,107.19 48.56,107.06 48.31,107.06 47.93,107.44 47.29,107.44 47.16,107.57
N23506117 on POWR05: 48.56,112.9 47.42,112.9 47.29,112.78 47.29,105.03 47.42,104.9 55.8,104.9 55.93,105.03 55.93,108.71 55.8,108.84 54.53,108.84 54.4,108.71 54.4,106.68 54.28,106.55 48.81,106.55 48.69,106.68 48.69,112.78
N23506125 on BOTTOM: 55.1,109.79 58.15,109.79 58.4,109.54 58.4,108.52 58.28,108.39 55.1,108.39 54.97,108.52 54.97,109.66
N23506125 on POWR05: 49.07,107.06 53.89,107.06 54.02,107.19 54.02,108.97 54.15,109.09 55.42,109.09 55.55,109.22 55.55,109.86 55.42,109.98 49.96,109.98 49.83,110.11 49.83,114.68 49.7,114.81 47.42,114.81 47.29,114.68 47.29,113.28 47.42,113.16 48.69,113.16 48.94,112.9 48.94,107.19
N23507395 on POWR05: 48.56,45.59 47.42,45.59 47.29,45.47 47.29,37.72 47.42,37.59 55.8,37.59 55.93,37.72 55.93,41.4 55.8,41.53 54.53,41.53 54.4,41.4 54.4,39.37 54.28,39.24 48.81,39.24 48.69,39.37 48.69,45.47
N23507403 on BOTTOM: 55.04,42.55 58.09,42.55 58.34,42.29 58.34,41.28 58.21,41.15 55.04,41.15 54.91,41.28 54.91,42.42
N23507403 on POWR05: 49.07,39.75 53.89,39.75 54.02,39.88 54.02,41.66 54.15,41.78 55.42,41.78 55.55,41.91 55.55,42.55 55.42,42.67 49.96,42.67 49.83,42.8 49.83,47.37 49.7,47.5 47.42,47.5 47.29,47.37 47.29,45.97 47.42,45.85 48.69,45.85 48.94,45.59 48.94,39.88
N23508661 on POWR05: 48.56,99.44 47.42,99.44 47.29,99.31 47.29,91.57 47.42,91.44 55.8,91.44 55.93,91.57 55.93,95.25 55.8,95.38 54.53,95.38 54.4,95.25 54.4,93.22 54.28,93.09 48.81,93.09 48.69,93.22 48.69,99.31
N23508669 on BOTTOM: 55.04,96.39 58.09,96.39 58.34,96.14 58.34,95.12 58.21,95 55.04,95 54.91,95.12 54.91,96.27
N23508669 on POWR05: 49.07,93.6 53.89,93.6 54.02,93.73 54.02,95.5 54.15,95.63 55.42,95.63 55.55,95.76 55.55,96.39 55.42,96.52 49.96,96.52 49.83,96.65 49.83,101.22 49.7,101.35 47.42,101.35 47.29,101.22 47.29,99.82 47.42,99.7 48.69,99.7 48.94,99.44 48.94,93.73
N23509928 on POWR05: 48.56,32.13 47.42,32.13 47.29,32 47.29,24.26 47.42,24.13 55.8,24.13 55.93,24.26 55.93,27.94 55.8,28.07 54.53,28.07 54.4,27.94 54.4,25.91 54.28,25.78 48.81,25.78 48.69,25.91 48.69,32
N23509936 on BOTTOM: 55.04,29.08 58.09,29.08 58.34,28.83 58.34,27.81 58.21,27.69 55.04,27.69 54.91,27.81 54.91,28.96
N23509936 on POWR05: 49.07,26.29 53.89,26.29 54.02,26.42 54.02,28.19 54.15,28.32 55.42,28.32 55.55,28.45 55.55,29.08 55.42,29.21 49.96,29.21 49.83,29.34 49.83,33.91 49.7,34.04 47.42,34.04 47.29,33.91 47.29,32.51 47.42,32.39 48.69,32.39 48.94,32.13 48.94,26.42
N23511196 on POWR05: 48.56,18.67 47.42,18.67 47.29,18.54 47.29,10.8 47.42,10.67 55.8,10.67 55.93,10.8 55.93,14.48 55.8,14.61 54.53,14.61 54.4,14.48 54.4,12.45 54.28,12.32 48.81,12.32 48.69,12.45 48.69,18.54
N23511204 on BOTTOM: 55.04,15.62 58.09,15.62 58.34,15.37 58.34,14.35 58.21,14.22 55.04,14.22 54.91,14.35 54.91,15.49
N23511204 on POWR05: 49.07,12.83 53.89,12.83 54.02,12.95 54.02,14.73 54.15,14.86 55.42,14.86 55.55,14.99 55.55,15.62 55.42,15.75 49.96,15.75 49.83,15.88 49.83,20.45 49.7,20.57 47.42,20.57 47.29,20.45 47.29,19.05 47.42,18.92 48.69,18.92 48.94,18.67 48.94,12.95
N23561603 on TOP: 54.15,6.1 54.15,5.08 54.28,4.95 55.55,4.95 55.8,5.21 57.07,5.21 57.2,5.08 60.24,5.08 60.37,5.21 60.37,6.1 59.61,6.86 56.56,6.86 55.93,6.22 54.28,6.22
N23565715 on TOP (solid shape): 84.04,34.54 84.04,33.4 83.66,33.02 83.66,31.88 83.53,31.75 82.47,31.75 82.22,32 80.56,32 80.44,32.13 80.44,34.8 80.56,34.93 83.66,34.93
N23565735 on TOP (solid shape): 84.04,41.78 84.04,36.11 83.99,36.07 82.22,36.07 81.96,36.32 81.96,41.78 82.22,42.04 83.79,42.04
N23714295 on TOP: 104.85,20.45 104.71,20.59 104.62,20.68 104.59,20.68 104.51,20.7 104.44,20.71 102.93,20.71 102.86,20.7 102.79,20.68 102.59,20.68 102.53,20.68 102.43,20.78 102.43,20.85 102.56,20.98 103.49,20.98 103.49,21.18 102.55,21.18 102.5,21.22 102.5,21.45 102.51,21.46 103.48,21.46 103.6,21.59 103.92,21.59 104.65,22.32 105.32,22.32 105.7,22.7 107.27,22.7 107.49,22.48 107.49,19.56 107.36,19.43 106.73,19.43 106.6,19.56 106.6,19.81 105.96,20.45
N23714428 on TOP (solid shape): 99.47,25.12 99.47,22.59 99.08,22.2 98.12,22.2 98.12,21.95 99.08,21.95 99.08,21.69 98.14,21.69 98.14,21.44 99.08,21.44 99.08,21.26 99.01,21.18 97.7,21.18 97.47,21.41 95.16,21.41 94.9,21.67 94.9,24.99 95.16,25.24 99.35,25.24
N23718317 on TOP (solid shape): 140.36,117.17 140.36,113.23 140.1,112.98 139.01,112.98 138.37,113.61 136.47,113.61 136.26,113.82 136.26,115.82 136.59,116.15 138.12,116.15 138.58,116.62 138.58,117.3 138.83,117.55 139.98,117.55
N23756584 on TOP: 72.18,113.79 71.17,113.79 71.04,113.92 71.04,115.06 70.91,115.19 69.52,115.19 69.39,115.06 69.39,112.65 71.55,110.49 75.36,110.49 75.48,110.62 75.48,111.51 76.12,112.14 76.12,113.16 75.99,113.28 74.34,113.28 74.09,113.03 72.94,113.03
N23756700 on TOP: 66.98,115.82 66.98,117.35 67.1,117.48 67.61,117.48 67.74,117.35 67.74,115.82 67.61,115.7 67.1,115.7
N23798265 on TOP: 85.52,105.28 85.64,105.16 86.41,105.16 86.53,105.28 86.53,110.36 86.41,110.49 85.64,110.49 85.52,110.36
N23798356 on TOP: 81.83,105.28 81.83,109.73 83.23,111.13 83.23,111.89 83.49,111.89 83.49,111.13 83.61,111 84.25,111 84.76,110.49 84.76,105.28 84.63,105.16 81.96,105.16
GND on TOP (solid shape): 127.15,29.85 127.17,29.84 127.19,29.83 127.31,29.71 127.32,29.69 127.32,29.67 127.32,27.1 127.32,27.08 127.31,27.06 127.19,26.94 127.17,26.93 127.15,26.92 125.42,26.92 125.4,26.93 125.38,26.94 125.33,26.99 125.32,27.01 125.32,27.02 125.32,29.74 125.32,29.76 125.33,29.78 125.38,29.83 125.4,29.84 125.42,29.85
GND on TOP (solid shape): 71.54,7.52 71.56,7.52 71.58,7.5 71.9,7.18 71.91,7.17 71.91,7.15 71.91,5.52 71.91,5.5 71.9,5.48 71.2,4.78 71.18,4.77 71.16,4.77 67.38,4.77 67.36,4.77 67.35,4.78 67.32,4.81 67.3,4.82 67.28,4.83 67.25,4.83 67.23,4.83 67.22,4.84 67.12,4.94 67.11,4.95 67.1,4.97 67.1,6.2 67.11,6.22 67.12,6.24 67.34,6.46 67.36,6.47 67.38,6.48 67.84,6.48 67.86,6.48 67.88,6.49 67.96,6.58 67.97,6.59 67.98,6.61 67.98,7.36 67.98,7.38 67.99,7.39 68.1,7.5 68.12,7.52 68.14,7.52
GND on TOP (solid shape): 69.51,18.85 71.9,18.85 71.9,18.87 74.85,18.87 74.85,18.85 77.23,18.85 77.23,18.87 77.33,18.87 77.35,18.86 77.37,18.85 78.06,18.17 78.07,18.15 78.07,18.13 78.07,15.26 78.07,15.24 78.06,15.23 77.45,14.62 77.44,14.6 77.44,14.58 77.44,5.89 77.43,5.87 77.42,5.85 77.3,5.73 77.28,5.72 77.26,5.72 74.28,5.72 74.26,5.72 74.25,5.73 74.2,5.78 74.19,5.79 74.19,5.81 74.19,11.68 74.18,11.7 74.17,11.72 73.53,12.36 73.51,12.37 73.49,12.38 65.8,12.38 65.78,12.38 65.76,12.39 65.47,12.69 65.46,12.7 65.45,12.72 65.45,18.47 65.46,18.49 65.47,18.51 65.81,18.85 65.83,18.86 65.85,18.87 69.51,18.87
GND on TOP (solid shape): outline of 94 points within 132.43,25.53 138.27,32
GND on BOTTOM (solid shape): 78.26,104.9 78.28,104.9 78.29,104.89 78.39,104.79 78.4,104.77 78.41,104.75 78.41,103.27 78.4,103.25 78.39,103.24 78.29,103.14 78.28,103.13 78.26,103.12 75.89,103.12 75.87,103.13 75.85,103.14 75.75,103.24 75.74,103.25 75.74,103.27 75.74,104.75 75.74,104.77 75.75,104.79 75.85,104.89 75.87,104.9 75.89,104.9
GND on BOTTOM (solid shape): 147.54,106.43 147.56,106.43 147.58,106.42 147.93,106.07 147.94,106.05 147.95,106.03 147.95,104.44 147.94,104.42 147.93,104.4 147.3,103.77 147.29,103.76 147.27,103.76 145.66,103.76 145.64,103.76 145.62,103.77 145.27,104.13 145.26,104.14 145.25,104.16 145.25,106.03 145.26,106.05 145.27,106.07 145.62,106.42 145.64,106.43 145.66,106.43
GND on BOTTOM (solid shape): 147.67,98.56 147.69,98.55 147.71,98.54 147.8,98.45 147.81,98.43 147.82,98.41 147.82,96.04 147.81,96.02 147.8,96 147.2,95.4 147.18,95.39 147.16,95.38 144.41,95.38 144.39,95.39 144.37,95.4 144.15,95.62 144.14,95.64 144.14,95.66 144.14,97.65 144.14,97.67 144.15,97.68 145.01,98.54 145.03,98.55 145.05,98.56
VCC5V5 on TOP (solid shape): 78.51,109.09 78.53,109.09 78.55,109.08 78.65,108.98 78.66,108.96 78.66,108.94 78.66,105.43 78.66,105.41 78.65,105.4 78.55,105.3 78.53,105.29 78.51,105.28 77.66,105.28 77.65,105.29 77.63,105.3 77.53,105.4 77.52,105.41 77.52,105.43 77.52,107.17 77.51,107.19 77.5,107.2 77.28,107.43 77.27,107.44 77.26,107.46 77.26,107.65 77.26,107.67 77.25,107.69 77.15,107.79 77.14,107.8 77.14,107.82 77.14,108.94 77.14,108.96 77.15,108.98 77.25,109.08 77.26,109.09 77.28,109.09
VCC5V5 on BOTTOM (solid shape): 78.51,109.09 78.53,109.09 78.55,109.08 78.65,108.98 78.66,108.96 78.66,108.94 78.66,106.19 78.66,106.17 78.65,106.16 78.55,106.06 78.53,106.05 78.51,106.05 76.9,106.05 76.88,106.05 76.87,106.06 76.77,106.16 76.76,106.17 76.75,106.19 76.75,108.94 76.76,108.96 76.77,108.98 76.87,109.08 76.88,109.09 76.9,109.09
VCC5V_A on BOTTOM (solid shape): 67.08,108.2 67.1,108.2 67.12,108.19 67.22,108.09 67.23,108.08 67.23,108.06 67.23,105.43 67.23,105.41 67.22,105.4 67.12,105.3 67.1,105.29 67.08,105.28 64.33,105.28 64.31,105.29 64.29,105.3 64.2,105.4 64.19,105.41 64.18,105.43 64.18,108.06 64.19,108.08 64.2,108.09 64.29,108.19 64.31,108.2 64.33,108.2
VCC5V_VREF on TOP (solid shape): 63.53,108.2 63.55,108.2 63.56,108.19 63.66,108.09 63.67,108.08 63.67,108.06 63.67,106.45 63.68,106.43 63.69,106.41 64.17,105.93 64.18,105.92 64.18,105.9 64.18,105.18 64.18,105.16 64.17,105.14 64.07,105.04 64.05,105.03 64.03,105.03 62.3,105.03 62.28,105.03 62.26,105.04 62.16,105.14 62.15,105.16 62.15,105.18 62.15,108.06 62.15,108.08 62.16,108.09 62.26,108.19 62.28,108.2 62.3,108.2
VCC5V_VREF on BOTTOM (solid shape): 63.65,108.2 63.67,108.2 63.69,108.19 63.79,108.09 63.8,108.08 63.8,108.06 63.8,105.43 63.8,105.41 63.79,105.4 63.69,105.3 63.67,105.29 63.65,105.28 62.3,105.28 62.28,105.29 62.26,105.3 62.16,105.4 62.15,105.41 62.15,105.43 62.15,108.06 62.15,108.08 62.16,108.09 62.26,108.19 62.28,108.2 62.3,108.2
VCCINT_FPGA on TOP (solid shape): 89.99,28.7 90.01,28.7 90.02,28.69 90.5,28.21 90.51,28.19 90.52,28.17 90.52,21.23 90.51,21.21 90.5,21.19 89.64,20.33 89.63,20.32 89.61,20.32 79.36,20.32 79.34,20.32 79.33,20.33 78.85,20.81 78.84,20.83 78.83,20.85 78.83,23.05 78.83,23.07 78.82,23.08 78.55,23.35 78.53,23.36 78.51,23.37 64.25,23.37 64.23,23.37 64.21,23.38 63.86,23.73 63.85,23.75 63.85,23.77 63.85,28.09 63.85,28.11 63.86,28.13 64.42,28.69 64.44,28.7 64.46,28.7
N1143746 on TOP (solid shape): 137.11,29.13 137.13,29.13 137.14,29.12 137.24,29.02 137.25,29.01 137.25,28.99 137.25,27.22 137.25,27.2 137.24,27.19 137.12,27.07 137.1,27.05 137.08,27.05 136.26,27.05 136.24,27.05 136.22,27.07 136.15,27.14 136.14,27.15 136.14,27.17 136.14,27.89 136.14,27.91 136.15,27.93 136.4,28.18 136.41,28.2 136.42,28.22 136.42,29.06 136.42,29.08 136.43,29.1 136.45,29.12 136.47,29.13 136.49,29.13
N16671344 on TOP (solid shape): outline of 132 points within 65.37,8.04 73.75,11.7
N16672704 on TOP (solid shape): outline of 112 points within 77.82,8.37 90.07,16.38
N23755096 on TOP (solid shape): 29.87,6.86 29.89,6.85 29.91,6.84 30,6.75 30.02,6.73 30.02,6.71 30.02,4.47 30.02,4.45 30,4.43 29.91,4.33 29.89,4.32 29.87,4.32 28.77,4.32 28.75,4.32 28.73,4.33 28.64,4.43 28.63,4.45 28.62,4.47 28.62,4.93 28.62,4.95 28.61,4.97 28.51,5.07 28.49,5.08 28.47,5.08 26.61,5.08 26.59,5.08 26.58,5.09 26.48,5.19 26.46,5.2 26.44,5.21 25.21,5.21 25.19,5.2 25.18,5.19 24.95,4.97 24.94,4.96 24.92,4.95 23.69,4.95 23.67,4.96 23.65,4.97 23.61,5.01 23.6,5.03 23.59,5.05 23.59,6.13 23.6,6.15 23.61,6.16 23.65,6.21 23.67,6.22 23.69,6.22 23.89,6.22 23.94,6.22 23.97,6.21 24.54,6.21 24.61,6.19 24.68,6.19 25.06,6.19 25.08,6.19 25.12,6.22 25.14,6.22 25.3,6.22 25.32,6.23 25.33,6.24 25.94,6.84 25.96,6.85 25.98,6.86
N23828553 on TOP (solid shape): 76.86,107.7 76.88,107.69 76.9,107.68 76.99,107.58 77.01,107.57 77.01,107.55 77.01,106.07 77.01,106.05 76.99,106.03 76.9,105.93 76.88,105.92 76.86,105.92 73.98,105.92 73.96,105.92 73.95,105.93 73.85,106.03 73.83,106.04 73.81,106.05 72.59,106.05 72.57,106.04 72.55,106.03 72.32,105.81 72.31,105.79 72.29,105.79 71.06,105.79 71.04,105.79 71.03,105.81 70.98,105.85 70.97,105.87 70.96,105.89 70.96,106.55 70.98,106.59 71.02,106.6 71.15,106.6 71.25,106.56 71.34,106.55 71.88,106.55 71.9,106.55 71.91,106.54 72.38,106.48 72.54,106.93 72.54,106.94 72.54,106.96 72.6,107.04 72.62,107.06 72.64,107.06 72.67,107.06 72.69,107.06 72.71,107.08 73.31,107.68 73.33,107.69 73.35,107.7

Small or netless copper shapes (teardrops, artwork), in the pictures only: 9 on TOP

## Text on the board
Ref Des/Silkscreen Bottom: ID6 | ID4 | ID5
User.Comments: CR_UNNAMED1_6 | CR_UNNAMED1_8 | CR_UNNAMED1_2 | CR_UNNAMED1_7 | CR_UNNAMED7_1 | CR_ANALOG1_2 | CR_ANALOG1_3 | CR_ANALOG1_1 | CR_ANALOG1_4 | CR_ANALOG1_5 | CR_ANALOG1_6 | CR_ANALOG1_7 | CR_UNNAMED1_4 | CR_UNNAMED1_3 | CR_UNNAMED1_1 | CR_CH5_2 | CR_CH5_3 | CR_CH5_4 | CR_CH5_5 | CR_CH5_6 | CR_CH5_7 | CR_CH5_8 | CR_UNNAMED_1 | CR_UNNAMED3_1 | CR_UNNAMED3_2 | CR_UNNAMED3_3 | CR_UNNAMED2_3 | CR_UNNAMED3_4 | CR_UNNAMED5_2 | CR_UNNAMED4_2 | CR_UNNAMED3_6 | CR_UNNAMED3_7 | CR_UNNAMED3_8 | CR_UNNAMED6_2
Ref Des/Silkscreen Top: A | B | F | E | G | C | D | U390 | ID3 | ID2 | ID1 | 2024-10-24 | ZP-DIC_PDA_8CH_BOARD_VOO1
DIMENSION: THIS AREA IS OPEN WINDOW. | Single Impedance | Diff Impedance | 100 ohm | 80 ohm | 40 ohm | 50 ohm | POWER08 | PREPREG | GND02 | GND09 | CORE | POWER07 | ART01 | GND04 | ART05 | GND06 | ART10 | ART03 | Layer | 1,10 | 3.8 | 3,8 | 6 | Trace Width(mil) | Trace W/S(mil) | Layer Stack up | 4.5/4 | 6.5/5 | 4/12 | 6.5 | 4/6 | 5/5 | Solder Bot | Silk Bot | 4.5 | Solder Top | 4 | 8 | 7 | Silk Top | Tolerance | + | - | 10% | Frequncy(MHZ) | Default | Thickness (mil) | 1.42(1oz+plating) | 1.18(1 oz) | 11.42 | 3.66 | 3.9 | 17.32 | Remark | 1--Gerber TOP | 2--GROUND PLANE02 | 3--Gerber LAYER03 | 4--GROUND PLANE04 | 5--Gerber LAYER05 | 6--GROUND PLANE06 | 7--POWER PLANE07 | 8--POWER PLANE08 | 9--GROUND PLANE09 | 10--GROUND BOTTOM
User.16: FIGURE | SIZE | 8.0 | 10.0 | 28.0 | 33.0 | 35.0 | 35.43 | 37.0 | 40.0 | 41.0 | 66.93 | 71.0 | 110.0 | 125.0 | 61.0 | 80.0 | 118.0 | 125.98 | DRILL CHART: TOP to BOTTOM | ALL UNITS ARE IN MILS | TOLERANCE | +3.0/-3.0 | +2.0/-2.0 | +0.0/-0.0 | PLATED | NON-PLATED | QTY | 1918 | 1105 | 26 | 2 | 14 | 10 | 3 | 22 | 4 | 8 | 18 | 1
